# Altium PCB HIL_RIG_REV_1_2.PcbDoc (part 5 of 14)
Units mil, origin at the board's own origin, x right, y up, seen from the top; angles counter-clockwise.
Board outline 9845 x 7590 mil, 6 copper layers (Top Layer, Int1 (GND), Int2 (PWR), Int3 (Sign), Int4 (GND), Bottom Layer), stack 60.566 mil thick; 1465 components, 731 nets, 4058 pads, 3944 vias.
Unrouted connection lines stored in the file: 1754.
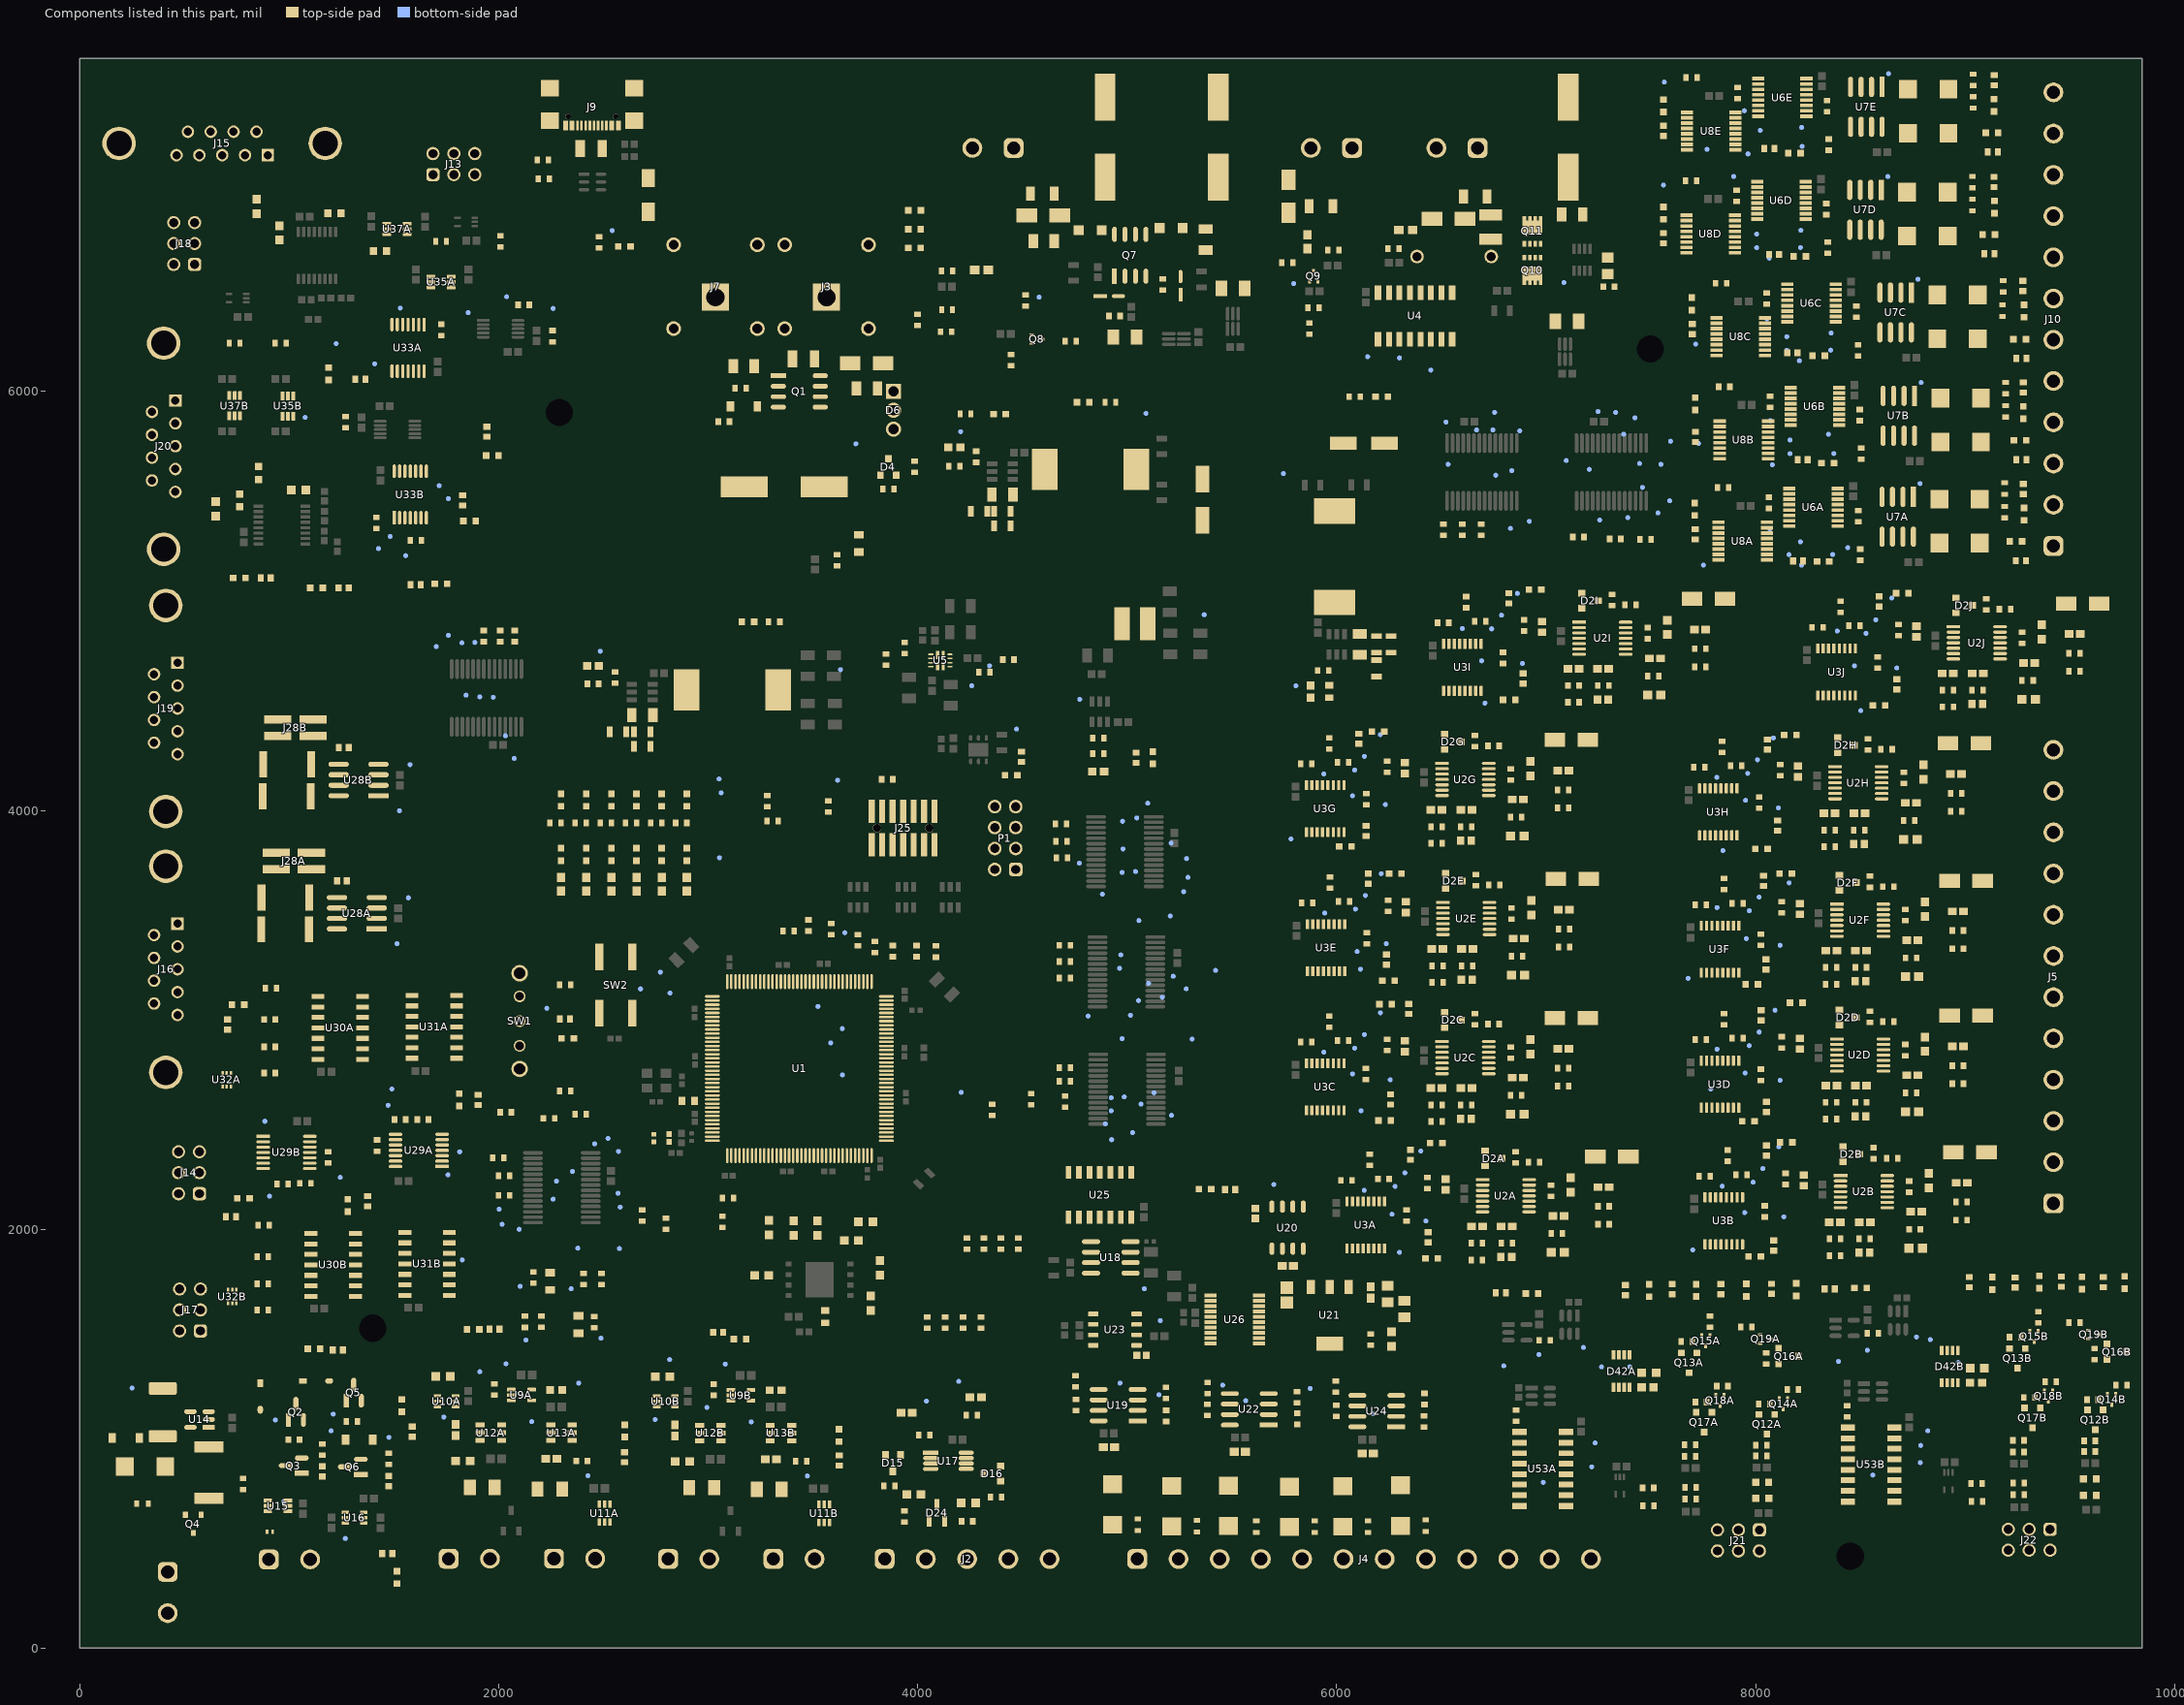
[diagram p9: the components of this part, seen from the top]

## Part data (continued)
C27: library part CMP-001-00005-6, "Chip Capacitor, 1 uF, +/- 10%, 25 V, 0603 (1608 Metric)", Tolerance=10%, Voltage Rating=25V, Max Operating Temperature=125°C, Case/Package=0603, Capacitor Type=Ceramic, Min Operating Temperature=-55°C, Pins=2, RoHS Compliant=True, Mounting Technology=SM
C29A C29B C29C C29D C29E C29F C29G C29H C29I C29J C31A C31B C31C C31D C31E C31F C31G C31H C31I C31J C32A C32B C32C C32D C32E C32F C32G C32H C32I C32J C33A C33B C33C C33D C33E C33F C33G C33H C33I C33J C54A C54B C57A C57B: library part CMP-001-00137-1, "16V 1nF X7R ±10% 0603 Multilayer Ceramic Capacitors MLCC - SMD/SMT ROHS", Case Code (Imperial)=0603, Case Code (Metric)=1608, Dielectric=X7R, Dielectric Material=Ceramic, Max Operating Temperature=125°C, Min Operating Temperature=-55°C, Tolerance=10%, Voltage Rating=16V, Case/Package=0603, China RoHS=Compliant, Composition=Ceramic, Depth=800µm, Halogen Free="Halogen Free", Height=800µm, Lead Free="Lead Free", Length=1.6mm, Lifecycle Status=Production, Material=Ceramic, Mounting Technology="Surface Mount", Number of Terminals=2, Packaging="Tape and Reel", Radiation Hardening=No, REACH SVHC=Yes, RoHS=Compliant, Schedule B="8532240020, 8532240020", Termination=SMD/SMT, Thickness=889µm, Voltage Rating (DC)=16V, Weight=2.012816mg, Width=800µm
C34 C36 C117 C120 C133 C136 C150 C155: library part CMP-001-00103-1, "100V 100nF C0G ±5% 1206 Multilayer Ceramic Capacitors MLCC - SMD/SMT ROHS", Case/Package=1206, Max Operating Temperature=125°C, Min Operating Temperature=-55°C, Tolerance=5%, Voltage Rating=100V, Mounting Technology="Surface Mount"
C35 C119 C135 C154: library part CMP-001-00104-1, "Cap Aluminum 100uF 100V 20% (12.5 X 13.5mm) SMD 450mA 5000h 105°C T/R", Case/Package=SMD/SMT, Max Operating Temperature=105°C, Min Operating Temperature=-40°C, Ripple Current=450mA, Tolerance=20%, Voltage Rating=100V, Mounting Technology="Surface Mount", Pins=2, Ripple Current (AC)=450mA
C55A C55B: library part CMP-001-00142-1, "10V 2.2uF X7R ±10% 0603 Multilayer Ceramic Capacitors MLCC - SMD/SMT ROHS", Case Code (Imperial)=0603, Case Code (Metric)=1608, Dielectric=X7R, Dielectric Material=Ceramic, Manufacturer Lifecycle Status="IN PRODUCTION", Max Operating Temperature=125°C, Min Operating Temperature=-55°C, Tolerance=10%, Voltage=10V, Case/Package=0603, Country of Origin=Philippines, Depth=800µm, Export Control Classification Number (ECCN) Code=EAR99, Harmonized Tariff Schedule (HTS) Code=8532.24.00.20, Height=800µm, Introduction Date=2006-06-22, Lead Free="Lead Free", Length=1.6mm, Lifecycle Status=Production, Material=Ceramic, Mounting Technology="Surface Mount", Number of Terminals=2, Packaging="Cut Tape", Pins=2, REACH SVHC=Yes, RoHS=Compliant, Schedule B="8532240020, 8532240020", Termination=SMD/SMT, Thickness=800µm, Voltage Rating=10V, Voltage Rating (DC)=10V, Weight=2.012816mg, Width=800µm
C64 C65: library part CMP-001-00138-1, "50V 10nF X7R ±10% 0603 Multilayer Ceramic Capacitors MLCC - SMD/SMT ROHS", Case Code (Imperial)=0603, Case Code (Metric)=1608, Dielectric=X7R, Dielectric Material=Ceramic, Insulation Resistance=100GΩ, Max Operating Temperature=125°C, Min Operating Temperature=-55°C, Tolerance=10%, Voltage=50V, Case/Package=0603, China RoHS=Compliant, Composition=Ceramic, Country of Origin="Mainland China, Taiwan", Depth=800µm, Export Control Classification Number (ECCN) Code=EAR99, Halogen Free="Halogen Free", Harmonized Tariff Schedule (HTS) Code=8532.24.00.20, Height=800µm, Introduction Date=2003-01-27, Lead Free="Lead Free", Length=1.6mm, Lifecycle Status=Production, Material=Ceramic, Mounting Technology="Surface Mount", Number of Terminals=2, Pins=2, Radiation Hardening=No, REACH SVHC=Yes, RoHS=Compliant, Schedule B="8532240020, 8532240020", Termination=SMD/SMT, Thickness=889µm, Voltage Rating=50V, Voltage Rating (DC)=50V, Width=800µm
C69 C72 C75 C76 C82: library part CMP-001-00123-1, "50V 1uF X7R ±10% 0603 Multilayer Ceramic Capacitors MLCC - SMD/SMT ROHS", Case Code (Imperial)=0603, Case Code (Metric)=1608, Dielectric=X7R, Dielectric Material=Ceramic, Max Operating Temperature=125°C, Min Operating Temperature=-55°C, Tolerance=10%, Voltage Rating=50V, Case/Package=0603, China RoHS=Compliant, Composition=Ceramic, Country of Origin="Mainland China, Taiwan", Export Control Classification Number (ECCN) Code=EAR99, Halogen Free="Halogen Free", Harmonized Tariff Schedule (HTS) Code=8532.24.00.20, Height=800µm, Introduction Date=2014-07-08, Lead Free="Lead Free", Length=1.6mm, Lifecycle Status=Production, Material=Ceramic, Mounting Technology="Surface Mount", Number of Terminals=2, Packaging="Tape & Reel (TR)", REACH SVHC=Yes, RoHS=Compliant, Schedule B="8532240020, 8532240020", Termination=SMD/SMT, Thickness=889µm, Voltage Rating (DC)=50V, Weight=2.012816mg, Width=800µm
C73: library part CMP-001-00134-1, "50V 2.2uF X5R ±10% 0805 Multilayer Ceramic Capacitors MLCC - SMD/SMT ROHS", Case Code (Imperial)=0805, Case Code (Metric)=2012, Dielectric=X5R, Dielectric Material=Ceramic, Manufacturer Package Identifier=CC0805-0.85, Max Operating Temperature=85°C, Min Operating Temperature=-55°C, Tolerance=10%, Voltage Rating=50V, Case/Package=0805, China RoHS=Compliant, Composition=Ceramic, Country of Origin="Mainland China, Taiwan", Export Control Classification Number (ECCN) Code=EAR99, Halogen Free="Halogen Free", Harmonized Tariff Schedule (HTS) Code=8532.24.00.20, Height=1.25mm, Introduction Date=2014-07-08, Lead Free="Lead Free", Length=2mm, Lifecycle Status=Production, Material=Ceramic, Mounting Technology="Surface Mount", Number of Terminals=2, Packaging="Cut Tape (CT)", REACH SVHC=Yes, RoHS=Compliant, Termination=SMD/SMT, Thickness=1.4478mm, Voltage Rating (DC)=50V, Weight=5.499807mg, Width=1.25mm
C74: library part CMP-001-00121-1, "35V 10uF X5R ±20% 0603 Multilayer Ceramic Capacitors MLCC - SMD/SMT ROHS", Case Code (Imperial)=0603, Case Code (Metric)=1608, Dielectric=X5R, Dielectric Material=Ceramic, Manufacturer Lifecycle Status="IN PRODUCTION", Max Operating Temperature=85°C, Min Operating Temperature=-55°C, Tolerance=20%, Voltage Rating=35V, Case/Package=0603, Height=800µm, Length=1.6mm, Lifecycle Status=Production, Material=Ceramic, Mounting Technology="Surface Mount", Number of Terminals=2, REACH SVHC=Yes, RoHS=Compliant, Schedule B="8532240020, 8532240020", Thickness=800µm, Voltage Rating (DC)=35V, Width=800µm
C91A C91B: library part CMP-001-00135-1, "Ceramic Capacitor, Multilayer, Ceramic, 25V, 10% +Tol, 10% -Tol, C0G, 30Ppm/Cel Tc, 0.0047Uf,", Temperature Coefficient=30ppm/°C, Tolerance=10%, Voltage Rating=25V, Dielectric Material=Ceramic, Max Operating Temperature=125°C, Min Operating Temperature=-55°C, Dielectric=C0G, Case/Package=0603, Case Code (Metric)=1608, Height=800µm, Lead Free="Lead Free", Material=Ceramic, RoHS=Compliant, Export Control Classification Number (ECCN) Code=EAR99, Dissipation Factor=0.1%, Width=800µm, Introduction Date=2008-06-06, Length=1.6mm, Lifecycle Status=Production, Mounting Technology="Surface Mount", Harmonized Tariff Schedule (HTS) Code=8532.24.00.20, Country of Origin=Mexico, Case Code (Imperial)=0603, Voltage Rating (DC)=25V, REACH SVHC=Yes, Number of Terminals=2, Schedule B="8532240020, 8532240020", Termination=SMD/SMT, China RoHS=Compliant
C111 C127: library part CMP-001-00147-1, "Cap Aluminum 33uF 50V 20% (6.3 X 7.7mm) SMD 0.04 Ohm 1600mA 5000 hr 105°C Embossed T/R", Case/Package=Radial, Max Operating Temperature=105°C, Min Operating Temperature=-55°C, Ripple Current=1.6A, Tolerance=20%, Voltage Rating=50V, Mounting Technology="Surface Mount", Pins=8, Ripple Current (AC)=1.6A
C114 C115 C116 C130 C131 C132 C147 C148 C149: library part CMP-001-00143-2, "100V 1uF X7S ±10% 0805 Multilayer Ceramic Capacitors MLCC - SMD/SMT ROHS", Case Code (Imperial)=0805, Case Code (Metric)=2012, Dielectric=X7S, Dielectric Material=Ceramic, Manufacturer Lifecycle Status="IN PRODUCTION", Max Operating Temperature=125°C, Min Operating Temperature=-55°C, Tolerance=10%, Voltage Rating=100V, Case/Package=0805, Export Control Classification Number (ECCN) Code=EAR99, Features="Soft Termination", Harmonized Tariff Schedule (HTS) Code=8532.24.00.20, Height=1.25mm, Introduction Date=2015-11-10, Length=2mm, Lifecycle Status=Production, Material=Ceramic, Mounting Technology="Surface Mount", Number of Terminals=2, Packaging="Cut Tape", REACH SVHC=Yes, RoHS=Compliant, Schedule B="8532240020, 8532240020", Thickness=1.25mm, Voltage Rating (DC)=100V, Width=1.25mm
C118 C171A C171B: library part CMP-001-00144-1, "50V 100pF C0G ±1% 0603 Multilayer Ceramic Capacitors MLCC - SMD/SMT ROHS", Case Code (Imperial)=0603, Case Code (Metric)=1608, Dielectric=C0G, Dielectric Material=Ceramic, Max Operating Temperature=125°C, Min Operating Temperature=-55°C, Temperature Coefficient=30ppm/°C, Tolerance=1%, Voltage Rating=50V, Case/Package=0603, China RoHS=Compliant, Country of Origin=Mexico, Depth=800µm, Dissipation Factor=0.1%, Export Control Classification Number (ECCN) Code=EAR99, Harmonized Tariff Schedule (HTS) Code=8532.24.00.20, Height=800µm, Introduction Date=2008-06-06, Lead Free="Lead Free", Lead Pitch=700µm, Length=1.6mm, Lifecycle Status=Production, Material=Ceramic, Mounting Technology="Surface Mount", Number of Terminals=2, Packaging="Cut Tape", REACH SVHC=Yes, RoHS=Compliant, Schedule B="8532240020, 8532240020", Termination=SMD/SMT, Thickness=863.6µm, Voltage Rating (DC)=50V, Width=800µm
C134 C151 C163: library part CMP-001-00115-1, "Multilayer Ceramic Capacitors MLCC - SMD/SMT 50V 100pF X8R 0603 1%", Case/Package=0603, Dielectric=X8R, Dielectric Material=Ceramic, Max Operating Temperature=150°C, Min Operating Temperature=-55°C, Temperature Coefficient=30ppm/°C, Voltage Rating=50V, China RoHS=Compliant, Country of Origin=Mexico, Export Control Classification Number (ECCN) Code=EAR99, Harmonized Tariff Schedule (HTS) Code=8532.24.00.20, Height=800µm, Introduction Date=2017-10-02, Lead Free="Lead Free", Length=1.6mm, Lifecycle Status=Production, Material=Ceramic, Mounting Technology="Surface Mount", Number of Terminals=2, REACH SVHC=Yes, RoHS=Compliant, Schedule B="8532240020, 8532240020", Voltage Rating (DC)=50V, Width=800µm
D1A D1B D1C D1D D1E D1F D1G D1H D1I D1J D5 D29 D34 D37: library part CMP-004-00082-1, "SMAJ Series 58 V 400 W SMT Uni-Directional TVS Diode - DO-214AC", Case/Package=SMA, Forward Voltage=3.5V, Max Operating Temperature=150°C, Max Surge Current=40A, Min Operating Temperature=-55°C, Mounting Technology="Surface Mount", Pins=2
D2A D2B D2C D2D D2E D2F D2G D2H D2I D2J D15 D16: library part CMP-004-00056-1, "Diode Standard Recovery Rectifier 85 Volt 0.16A 3-Pin SOT-23 Tape and Reel", Case/Package=SOT-23, Forward Current=150mA, Forward Voltage=900mV, Max Operating Temperature=150°C, Max Surge Current=4A, Min Operating Temperature=-65°C, Mounting Technology="Surface Mount", Pins=3
D3 D13: library part CMP-004-00081-1, "MMSZ5244BT1 Series 500 mW 10 mA 14 V SMT Zener Voltage Regulator - SOD-123", Case/Package=SOD-123-2, Forward Voltage=900mV, Manufacturer Lifecycle Status=ACTIVE, Max Operating Temperature=150°C, Max Power Dissipation=500mW, Max Reverse Leakage Current=100nA, Min Operating Temperature=-55°C, Reference Voltage=14V, Test Current=9mA, Tolerance=5%, China RoHS=Compliant, Composition=Zener, Contact Plating=Tin, Element Configuration=Single, ESD Protection=Yes, Height=1.35mm, Impedance=15Ω, Lead Free="Lead Free", Length=2.84mm, Lifecycle Status=Production, Material=Plastic, Number of Elements=1, Number of Terminals=2, Packaging="Tape and Reel", Peak Reverse Current=100nA, Pins=2, Polarity=Unidirectional, Power Dissipation=500mW, Power Rating=500mW, Radiation Hardening=No, REACH SVHC=Yes, RoHS=Compliant, Schedule B="8541100050, 8541100050", Voltage Rating (DC)=14V, Voltage Tolerance=5%, Width=1.8mm, Working Voltage=14V, Zener Current=9mA, Zener Voltage=14V
D4: library part CMP-004-00047-1, "Diode, Zener, Vr 47V, If 10MA, Pkg SOT-23 (TO-236), Vf 0.9V, Cj 40PF, Tj +150C, Ir 2MA", Case/Package=SOT-23-3, Forward Voltage=900mV, Max Operating Temperature=150°C, Min Operating Temperature=-65°C, Pins=3
D6: library part CMP-031-00019-1, "Littelfuse", Manufacturer_Name=LITTELFUSE, Mouser Part Number=863-C106MG, Arrow Part Number=C106MG, Arrow Price/Stock=https://www.arrow.com/en/products/c106mg/littelfuse?utm_currency=USD&region=europe, Datasheet Link=https://m.littelfuse.com/~/media/electronics/datasheets/switching_thyristors/littelfuse_thyristor_c106_d_datasheet.pdf.pdf, Design Item ID=C106MG, Height=2.8mm, Manufacturer_Part_Number=C106MG, Mouser Price/Stock=https://www.mouser.co.uk/ProductDetail/Littelfuse/C106MG?qs=sK5eIuwOod7zMKL78CI8oQ%3D%3D, Source=MAX17643ATC+.SchLib
D7A D7B D7C D7D D7E D8A D8B D8C D8D D8E D10 D17 D18 D19 D20 D21 D22: library part CMP-004-00070-1, "Tvs Diodes & Esd Suppressors; SMBJ28A; Littelfuse; 28 V; 45.4 V; 31.1 V; 31.1 V", Breakdown Voltage=32.75V, Case/Package=SMB, Clamping Voltage=45.4V, Current=1mA, Forward Voltage=3.5V, Leakage Current=1µA, Max Breakdown Voltage=34.4V, Max Junction Temperature (Tj)=150°C, Max Power Dissipation=5W, Max Surge Current=13.3A, Min Breakdown Voltage=31.1V, Min Operating Temperature=-65°C, Operating Supply Voltage=28V, Peak Pulse Power=600W, Power Line Protection=No, Composition=Zener, Country of Origin="Mainland China, Philippines", Direction=Unidirectional, Element Configuration=Single, Export Control Classification Number (ECCN) Code=EAR99, Harmonized Tariff Schedule (HTS) Code=8541.10.00.50, Height=2.61mm, Introduction Date=1996-01-01, Lead Free="Lead Free", Length=4.57mm, Lifecycle Status=Production, Max Operating Temperature=150°C, Max Reverse Leakage Current=1µA, Mounting Technology="Surface Mount", Number of Channels=1, Number of Elements=1, Number of Terminals=2, Number of Unidirectional Channels=1, Packaging="Cut Tape", Peak Pulse Current=13.3A, Peak Reverse Current=1µA, Pins=2, Polarity=Unidirectional, Power Dissipation=600W, Power Rating=600W, Radiation Hardening=No, REACH SVHC=No, Reverse Breakdown Voltage=31.1V, Reverse Standoff Voltage=28V, Reverse Voltage=28V, RoHS=Compliant, Schedule B="8541100080, 8541100080", Termination=SMD/SMT, Test Current=1mA, Voltage=28V, Voltage Rating (DC)=28V, Width=3.94mm
D9 D12: library part CMP-004-00073-1, "1N5819HW Series 40 V 1 A Surface Mount Schottky Barrier Rectifier - SOD-123", Average Rectified Current=1A, Case/Package=SOD-123-2, Forward Voltage=750mV, Max Forward Surge Current (Ifsm)=25A, Max Junction Temperature (Tj)=125°C, Max Power Dissipation=450mW, Max Repetitive Reverse Voltage (Vrrm)=40V, Min Operating Temperature=-65°C, Peak Reverse Current=1mA, China RoHS=Compliant, Contact Plating=Tin, Current Rating=1A, Element Configuration=Single, Forward Current=1A, Height=1.45mm, Lead Free="Lead Free", Length=2.85mm, Lifecycle Status=Production, Max Operating Temperature=125°C, Max Output current=1A, Max Reverse Voltage (DC)=40V, Min Breakdown Voltage=40V, Number of Elements=1, Number of Terminals=2, Output Current=1A, Packaging="Tape and Reel", Peak Non-Repetitive Surge Current=25A, Pins=2, Polarity=Standard, Radiation Hardening=No, REACH SVHC=Yes, Reverse Standoff Voltage=40V, Reverse Voltage=40V, RoHS=Compliant, Schedule B="8541100080, 8541100080", Termination=SMD/SMT, Voltage Rating (DC)=40V, Weight=10.007382mg, Width=1.7mm
D11: library part CMP-004-00074-1, "DIODE ZENER 28V 500MW SOD123 / Zener Diode 28 V 500 mW ±5% Surface Mount SOD-123", Case/Package=SOD-123-2, Manufacturer Lifecycle Status=ACTIVE, Max Operating Temperature=150°C, Max Power Dissipation=500mW, Max Reverse Leakage Current=100nA, Min Operating Temperature=-55°C, Ratings=AEC-Q101, Reference Voltage=28V, Tolerance=5%, Zener Current=4.5mA, China RoHS=Compliant, Composition=Zener, Country of Origin="Mainland China", Element Configuration=Single, Export Control Classification Number (ECCN) Code=EAR99, Harmonized Tariff Schedule (HTS) Code=8541.10.00.50, Impedance=44Ω, Introduction Date=1998-08-19, Lead Free="Lead Free", Lifecycle Status=Production, Number of Elements=1, Number of Terminals=2, Packaging="Tape and Reel", Pins=2, Polarity=Unidirectional, Radiation Hardening=No, REACH SVHC=Yes, RoHS=Compliant, Voltage Tolerance=5%, Zener Voltage=28V
D14: library part CMP-004-00077-1, "ESD Protection Diodes / TVS Diodes 12V bidirectional ul tra-low capacitance", Manufacturer_Name="Texas Instruments", Mouser Part Number=595-ESD501DPYR, Arrow Part Number=ESD501DPYR, Arrow Price/Stock=https://www.arrow.com/en/products/esd501dpyr/texas-instruments?utm_currency=USD&region=nac, Datasheet Link=https://www.ti.com/lit/ds/symlink/esd501.pdf?ts=1738328273013&ref_url=https%253A%252F%252Fwww.mouser.ph%252, Design Item ID=ESD501DPYR, Height=0.45mm, Manufacturer_Part_Number=ESD501DPYR, Mouser Price/Stock=https://www.mouser.co.uk/ProductDetail/Texas-Instruments/ESD501DPYR?qs=a2MtRaTmNORm212mp2T0lg%3D%3D, Source=MAX17643ATC+.SchLib
D23: library part CMP-004-00080-1, "BOURNS - SMAJ5.0A - TVS Diode", Manufacturer_Name=Bourns, Mouser Part Number=652-SMAJ5.0A, Arrow Part Number=SMAJ5.0A, Arrow Price/Stock=https://www.arrow.com/en/products/smaj5-0a_21/bourns.html?utm_currency=USD&region=nac, Datasheet Link=https://detail.tmall.com/item.htm?id=548354020241&ali_refid=a3_430583_1006:1109983619:N:3Uw9kZ3UMDT/QL57nh1fXA==:ab063b49c94624768a940a913313feb0&ali_trackid=1_ab063b49c94624768a940a913313feb0&spm=a230r.1.14.1, Design Item ID=SMAJ5.0A, Height=2.29mm, Manufacturer_Part_Number=SMAJ5.0A, Mouser Price/Stock=https://www.mouser.co.uk/ProductDetail/Bourns/SMAJ5.0A?qs=A3H9pljuJ8RbLIvzFxDfUA%3D%3D, Source=MAX17643ATC+.SchLib
D24: library part CMP-031-00025-1, "61V (Typ) Clamp 4.3A (8/20s) Ipp Tvs Diode Surface Mount SOT-23-3", Manufacturer_Name="Texas Instruments", Mouser Part Number=595-ESD852DBZR, Arrow Part Number=ESD852DBZR, Arrow Price/Stock=https://www.arrow.com/en/products/esd852dbzr/texas-instruments?utm_currency=USD&region=nac, Datasheet Link=https://www.ti.com/lit/ds/symlink/esd852.pdf?ts=1728759309679&ref_url=https%253A%252F%252Fwww.mouser.com%252F, Design Item ID=ESD852DBZR, Height=1.12mm, Manufacturer_Part_Number=ESD852DBZR, Mouser Price/Stock=https://www.mouser.co.uk/ProductDetail/Texas-Instruments/ESD852DBZR?qs=Z%252BL2brAPG1KJL96MCdc2ZA%3D%3D, Source=MAX17643ATC+.SchLib
D25 D45A D45B D45C D45D D45E D45F D45G D45H D45I D45J D45K D45L D45M D45N D45O D45P D47A D47B D47C D47D: library part CMP-007-00038-1, "LED yellow green 0603 wavelength 567.5~576.5nm light intensity 4.5~28mcd Front Mounting", Case Code (Imperial)=0603, Case Code (Metric)=1608, Color=Green, Forward Current=30mA, Forward Voltage=1.9V, Illumination Color="Green, Yellow", Lens Color="Clear, Colorless", Max Operating Temperature=85°C, Min Operating Temperature=-55°C, Power Dissipation=50mW, Power Rating=75mW, Reverse Voltage=5V, Test Current=5mA, Case/Package=0603, China RoHS=Compliant, Country of Origin="Mainland China, Thailand", Depth=800µm, Dominant Wavelength=576.5nm, Export Control Classification Number (ECCN) Code=EAR99, Harmonized Tariff Schedule (HTS) Code=8541.40.20.00, Height=350µm, Introduction Date=2007-03-15, Lead Free="Lead Free", Length=1.6mm, Lens Style="Clear, Colorless, Diffused, Rectangular", Lens Transparency=Clear, Lifecycle Status=Production, Luminous Intensity=16.25mcd, Manufacturer Package Identifier=LTST-C193KGKT-5A, Mounting Technology="Surface Mount", Number of Circuits=1, Number of Elements=1, Number of LEDs=1, Number of Terminals=2, Peak Wavelength=574nm, Pins=2, Radiation Hardening=No, REACH SVHC=Yes, RoHS=Compliant, Schedule B="8541402000, 8541402000", Shape=Rectangular, Terminal Pitch=1.5mm, Viewing Angle=130°, Wavelength=571nm, Width=800µm
D26 D30 D31 D35 D36 D39 D40 D41 D50: library part CMP-007-00044-1, "LED yellow 0603 wavelength 587~594.5nm light intensity 7.1~45mcd Front Mounting", Case Code (Imperial)=0603, Case Code (Metric)=1608, Color=Yellow, Forward Current=30mA, Forward Voltage=2.3V, Lens Color="Clear, Colorless", Max Operating Temperature=85°C, Min Operating Temperature=-55°C, Power Dissipation=50mW, Reverse Voltage=5V, Test Current=5mA, Case/Package=0603, China RoHS=Compliant, Depth=800µm, Dominant Wavelength=594.5nm, Harmonized Tariff Schedule (HTS) Code=8541.40.20.00, Height=350µm, Illumination Color=Yellow, Introduction Date=2007-04-09, Lead Free="Lead Free", Length=1.6mm, Lens Style="Colorless, Diffused, Rectangular", Lens Transparency=Clear, Lifecycle Status=Production, Luminous Intensity=26.05mcd, Mounting Technology="Surface Mount", Number of Circuits=1, Number of Elements=1, Number of LEDs=1, Number of Terminals=2, Peak Wavelength=591nm, Pins=2, Radiation Hardening=No, REACH SVHC=Yes, RoHS=Compliant, Schedule B="8541402000, 8541402000", Shape=Rectangular, Terminal Pitch=1.5mm, Viewing Angle=130°, Wavelength=594.5nm, Width=800µm
D27 D32: library part CMP-004-00064-1, "PMEG6020 Series 60 V 2 A SMT Llow VF MEGA Schottky Barrier Rectifier - SOD-123W", Forward Current=2A, Forward Voltage=530mV, Max Operating Temperature=150°C, Min Operating Temperature=-55°C, Pins=2
D28 D33: library part CMP-004-00045-1, "BZT52C15S Series 200 mW 15 V 10 mA Surface Mount Zener Diode - SOD-323", Forward Current=10mA, Forward Voltage=900mV, Max Operating Temperature=150°C, Min Operating Temperature=-65°C, Mounting Technology="Surface Mount", Pins=2
D38: library part CMP-004-00059-1, "1N4751 Series 1 W 30 V 5 uA Axial Through Hole Zener Diode - DO-41", Case/Package=DO-41-2, Max Operating Temperature=200°C, Min Operating Temperature=-65°C, Mounting Technology="Through Hole", Pins=2
D42A D42B: library part CMP-031-00020-1, "2-Bit Bidirectional I2C Bus and SMBus Voltage-Level Shifter", Manufacturer_Name="Texas Instruments", Mouser Part Number=595-PCA9306DCTT, Arrow Part Number=PCA9306DCTT, Arrow Price/Stock=https://www.arrow.com/en/products/pca9306dctt/texas-instruments.html?utm_currency=USD&region=nac, Datasheet Link=http://www.ti.com/lit/gpn/pca9306, Design Item ID=PCA9306DCTT, Height=1.3mm, Manufacturer_Part_Number=PCA9306DCTT, Mouser Price/Stock=https://www.mouser.co.uk/ProductDetail/Texas-Instruments/PCA9306DCTT?qs=wgAEGBTxy7mcoWDi%252ByJu0w%3D%3D, Source=MAX17643ATC+.SchLib
D46A D46AA D46AB D46AC D46AD D46AE D46AF D46AG D46AH D46AI D46AJ D46AK D46AL D46AM D46AN D46AO D46AP D46AQ D46AR D46AS D46AT D46AU D46AV D46AW D46B D46C D46D D46E D46F D46G D46H D46I D46J D46K D46L D46M D46N D46O D46P D46Q D46R D46S D46T D46U D46V D46W D46X D46Y D46Z: library part CMP-007-00037-1, "LED orange LED0603 wavelength 605nm light intensity 11~45mcd vertical sticker", Case Code (Imperial)=0603, Case Code (Metric)=1608, Color=Orange, Forward Current=30mA, Forward Voltage=2.3V, Illumination Color=Yellow, Lens Color="Clear, Colorless", Max Operating Temperature=85°C, Min Operating Temperature=-30°C, Power Dissipation=75mW, Reverse Voltage=5V, Test Current=5mA, Case/Package=0603, China RoHS=Compliant, Contact Plating=Tin, Depth=800µm, Dominant Wavelength=605nm, Harmonized Tariff Schedule (HTS) Code=8541.40.20.00, Height=350µm, Introduction Date=2010-10-11, Length=1.6mm, Lens Style="Colorless, Diffused, Rectangular", Lens Transparency=Clear, Lifecycle Status=Production, Luminous Intensity=28.1mcd, Mounting Technology="Surface Mount", Number of Circuits=1, Number of Elements=1, Number of LEDs=1, Number of Terminals=2, Packaging="Tape and Reel", Peak Wavelength=611nm, Pins=2, Power Rating=75mW, Radiation Hardening=No, REACH SVHC=Yes, RoHS=Compliant, Schedule B="8541402000, 8541402000", Shape=Rectangular, Terminal Pitch=1.5mm, Viewing Angle=130°, Wavelength=605nm, Width=800µm
D48A D48B D48C D48D D48E D48F: library part CMP-007-00039-1, "Single-color LEDs; LITEON; LTST-C193KRKT-5A; Red; 130 °; 2.3 V; 0603", Case Code (Imperial)=0603, Case Code (Metric)=1608, Color=Red, Forward Current=20mA, Forward Voltage=2.3V, Lens Color="Clear, Colorless", Max Operating Temperature=85°C, Min Operating Temperature=-30°C, Power Dissipation=50mW, Reverse Voltage=5V, Test Current=5mA, Case/Package=0603, China RoHS=Compliant, Country of Origin="Mainland China, Thailand", Depth=800µm, Dominant Wavelength=631nm, Export Control Classification Number (ECCN) Code=EAR99, Harmonized Tariff Schedule (HTS) Code=8541.40.20.00, Height=350µm, Illumination Color=Red, Introduction Date=2008-09-01, Lead Free="Lead Free", Length=1.6mm, Lens Style="Clear, Colorless, Diffused, Rectangular", Lens Transparency=Clear, Lifecycle Status=Production, Luminous Intensity=26.05mcd, Mounting Technology="Surface Mount", Number of Circuits=1, Number of Elements=1, Number of LEDs=1, Number of Terminals=2, Peak Wavelength=639nm, Pins=2, Radiation Hardening=No, REACH SVHC=Yes, RoHS=Compliant, Schedule B="8541402000, 8541402000", Shape=Rectangular, Terminal Pitch=1.5mm, Viewing Angle=130°, Wavelength=631nm, Width=800µm
D49A D49B D49C D49D D49E D49F: library part CMP-007-00045-1, "LED blue 0603 wavelength 465~475nm light intensity 15mcd Front Mounting", Case Code (Imperial)=0603, Case Code (Metric)=1608, Color=Blue, Forward Current=20mA, Forward Voltage=2.8V, Lens Color="Clear, Colorless", Max Operating Temperature=80°C, Min Operating Temperature=-20°C, Power Dissipation=76mW, Reverse Voltage=5V, Test Current=5mA, Case/Package=0603, China RoHS=Compliant, Contact Plating=Tin, Depth=800µm, Dominant Wavelength=475nm, Height=350µm, Illumination Color=Blue, Lead Free="Lead Free", Length=1.6mm, Lens Style="Clear, Colorless, Diffused, Rectangular", Lens Transparency=Clear, Lifecycle Status=Production, Luminous Intensity=15mcd, Mounting Technology="Surface Mount", Number of Circuits=1, Number of Elements=1, Number of LEDs=1, Number of Terminals=2, Peak Wavelength=468nm, Pins=2, Radiation Hardening=No, REACH SVHC=Yes, RoHS=Compliant, Schedule B="8541402000, 8541402000", Shape=Rectangular, Terminal Pitch=1.5mm, Viewing Angle=130°, Wavelength=470nm, Width=800µm
F1: library part CMP-005-00026-1, "Fuse 63V Fa Halogen Free Slim 1206 2A/ T&r Rohs Compliant: Yes", Case Code (Imperial)=1206, Case Code (Metric)=3216, Current=2A, Max Operating Temperature=90°C, Min Operating Temperature=-55°C, Power Dissipation=157.5mW, Ratings="CE, CSA, EN, TUV", Voltage Rating=63V, Approvals="CSA, UL", Case/Package=1206, Current Rating=2A, Depth=1.52mm, Fuse Current=2A, Height=584µm, Housing Material=Ceramic, Length=3.175mm, Lifecycle Status=Production, Mounting Technology="Surface Mount", REACH SVHC=No, RoHS=Compliant, Time to Trip=200ms, Voltage Rating (AC)=63V, Voltage Rating (DC)=63V, Width=1.524mm
F3A F3B F3C F3D F3E F5A F5B F5C F5D F5E F6 F8 F10 F12 F14 F16 F18: library part CMP-005-00023-1, "Prices include import duty and tax. RESETTABLE PTC FUSE, SMD, 0603 SIZE, 10MA, 60V;", Case/Package=0603, Current Rating=40A, Hold Current=10mA, Max Operating Temperature=85°C, Maximum Resistance 1 Hour (R1max)=100Ω, Min Operating Temperature=-40°C, Ratings="AEC-Q200, TUV", Trip Current=30mA, Voltage Rating=60V, China RoHS=Compliant, Export Control Classification Number (ECCN) Code=EAR99, Harmonized Tariff Schedule (HTS) Code=8533.40.80.70, Height=850µm, Introduction Date=2019-09-26, Length=1.8mm, Lifecycle Status=Production, Mounting Technology="Surface Mount", Number of Terminals=2, REACH SVHC=Yes, RoHS=Compliant, Time to Trip=1s, Width=1mm, Working Voltage=60V
F19: library part CMP-005-00016-1, "Electric Fuse, Fast Blow, 1A, 63VAC, 63VDC, 50A (IR), Supplemental, Surface Mount, 1206", Case/Package=1206, Current Rating=1A, Max Operating Temperature=90°C, Min Operating Temperature=-55°C, Mounting Technology="Surface Mount"
F20 F21 F22: library part CMP-005-00025-1, "Surface Mount Fuses 1.5A Fast Acting 1206 Singlfuse", Manufacturer_Name=Bourns, Mouser Part Number=652-SF-1206FP150-2, Arrow Part Number=SF-1206FP150-2, Arrow Price/Stock=https://www.arrow.com/en/products/sf-1206fp150-2/bourns?utm_currency=USD&region=nac, Datasheet Link=https://www.arrow.com/en/products/sf-1206fp150-2/bourns, Design Item ID=SF-1206FP150-2, Height=0.7mm, Manufacturer_Part_Number=SF-1206FP150-2, Mouser Price/Stock=https://www.mouser.co.uk/ProductDetail/Bourns/SF-1206FP150-2?qs=YCa%2FAAYMW02QT85STQYHfQ%3D%3D, Source=MAX17643ATC+.SchLib
FB1: library part CMP-006-00025-1, "Ferrite Beads Multi-Layer 120Ohm 25% 100MHz 500mA 250mOhm DCR 0402 Paper T/R", Case/Package=0402, Current Rating=500mA, Max Operating Temperature=125°C, Min Operating Temperature=-55°C, Tolerance=25%, Max Current Rating=500mA, Mounting Technology="Surface Mount"
J1 J6 J8 J11 J12 J23 J24 J26 J27: library part CMP-002-00093-1, "WR-TBL Terminal block - PCB Header - THT", Color=Green, Current=20A, Manufacturer Lifecycle Status=ACTIVE, Max Operating Temperature=105°C, Min Operating Temperature=-40°C, Voltage=300V, Connector Type="PCB, Terminal Block", Contact Material=Tin, Contact Plating=Tin, Current Rating=20A, Gender=Male, Height=8.7mm, Lead Pitch=5mm, Length=11.4mm, Lifecycle Status=Production, Mounting Technology="Through Hole", Number of Contacts=2, Number of Levels=1, Number of Positions Per Level=2, Number of Rows=1, Packaging=Box, Pins=2, Pitch=5mm, REACH SVHC=Unknown, RoHS=Compliant, Termination=Solder, Voltage Rating=300V, Width=12mm, YEOL="1 = Estimated lifetime > 10 years"
J2: library part CMP-002-00094-1, "Terminal Block, 5.00MM Pitch, Close Horizontal Pcb Header, 300VAC, 5 Pins", Color=Green, Current=20A, Manufacturer Lifecycle Status=ACTIVE, Max Operating Temperature=105°C, Min Operating Temperature=-40°C, Voltage=300V, Connector Type="PCB, Terminal Block", Contact Gender=Male, Contact Material=Brass, Contact Plating=Tin, Gender=Male, Height=12mm, Lead Pitch=5mm, Length=26.4mm, Lifecycle Status=Production, Mounting Technology="Through Hole", Number of Contacts=5, Number of Levels=1, Number of Positions Per Level=5, Number of Rows=1, Packaging=Box, Pins=5, Pitch=5mm, REACH SVHC=No, RoHS=Compliant, Termination=Solder, Width=27mm, YEOL="1 = Estimated lifetime > 10 years"
J3: library part CMP-002-00102-1, "CLIFF ELECTRONIC COMPONENTS - FCR7350R - SOCKET", Manufacturer_Name="CLIFF ELECTRONIC COMPONENTS", Datasheet Link=http://www.cliffuk.co.uk/products/testleads/sockets/S16NPC.pdf, Design Item ID=FCR7350R, Height=11.5mm, Manufacturer_Part_Number=FCR7350R, Source=MAX17643ATC+.SchLib
J4 J5 J10: library part CMP-002-00096-1, "Terminal Block, R/A Header, 12Pos, Th Rohs Compliant: Yes", Manufacturer Lifecycle Status=ACTIVE, Max Operating Temperature=105°C, Min Operating Temperature=-40°C, Contact Plating=Tin, Length=61.4mm, Lifecycle Status=Production, Packaging=Box, Pins=12, Pitch=5mm, RoHS=Compliant, YEOL="1 = Estimated lifetime > 10 years"
J7: library part CMP-002-00101-1, "Banana Jack Connector Standard Banana Solder Black Female  Through Hole", Manufacturer_Name="CLIFF ELECTRONIC COMPONENTS", Datasheet Link=https://www.cliffuk.co.uk/products/testleads/sockets/S16NPC.pdf, Design Item ID=FCR7350B, Height=12.3mm, Manufacturer_Part_Number=FCR7350B, Source=MAX17643ATC+.SchLib
J9: library part CMP-002-00074-1, "USB Connector, 16 Contact(s), Male, Right Angle, Surface Mount Terminal, Locking, Receptacle", Contact Resistance=50mΩ, Dielectric Material=Polyethylene, Insulation Resistance=100MΩ, Max Operating Temperature=85°C, Min Operating Temperature=-40°C, Voltage Rating=20V, China RoHS=Compliant, Contact Gender=Male, Contact Material="Gold, Nickel", Country of Origin="Mainland China", Export Control Classification Number (ECCN) Code=EAR99, Gender=Receptacle, Harmonized Tariff Schedule (HTS) Code=8536.69.40.30, Height=3.46mm, Introduction Date=2021-04-15, Lifecycle Status=Production, Number of Contacts=16, Number of Ports=1, Number of Rows=1, Orientation=Horizontal, Pins=16, REACH SVHC=Yes, RoHS=Compliant, Shell Finish=Nickel, Shell Material="Stainless Steel", Terminal Pitch=500µm, USB Standard="USB 2.0"
J13 J14 J17 J18 J21 J22: library part CMP-002-00098-1, "Wr-bhd; 2.54MM Pitch 6 Way 2 Row Shrouded Right Angle Pcb Header, Surface Mount", Color=Black, Contact Resistance=20mΩ, Current Rating=3A, Insulation Resistance=1GΩ, Manufacturer Lifecycle Status=ACTIVE, Max Operating Temperature=105°C, Min Operating Temperature=-40°C, Operating Supply Voltage=250V, Connector Type="Male Pin", Contact Material=Copper, Contact Plating=Gold, Gender=Male, Insulation Material=PBT, Lead Pitch=2.54mm, Length=15.28mm, Lifecycle Status=Production, Mounting Technology="Through Hole", Number of Contacts=6, Number of Positions=6, Number of Rows=2, Pins=6, Pitch=2.54mm, RoHS=Compliant, Row Spacing=2.54mm, Termination=Solder, YEOL="1 = Estimated lifetime > 10 years"
J15 J16 J19 J20: library part CMP-011-000000-1, "9 Position D-Sub Plug, Male Pins Connector", Package=None, Check_prices=https://www.snapeda.com/parts/A-DS%2009%20A/KG-T2S/Assmann+Electronics/view-part/?ref=eda, Component Type=Standard, Design Item ID=A-DS_09_A_KG-T2S, MF="Assmann WSW", MP="A-DS 09 A/KG-T2S", Pin Count=11, SnapEDA_Link=https://www.snapeda.com/parts/A-DS%2009%20A/KG-T2S/Assmann+Electronics/view-part/?ref=snap, Source=A-DS_09_A_KG-T2S.SchLib
J25: library part CMP-002-00097-1, "Conn Unshrouded Header HDR 14 POS 1.27mm Solder ST Top Entry SMD TIGER CLAW™ Tube", Current Rating=3.4A, Manufacturer Lifecycle Status=PRODUCTION, Max Operating Temperature=125°C, Min Operating Temperature=-55°C, Gender=Male, Lifecycle Status=Production, Pins=14, Pitch=1.27mm, RoHS=Compliant, Contact Material="Gold, Nickel", Number of Rows=2, Height=6.38mm, Contact Plating=Gold, Number of Contacts=14, Lead Free="Lead Free", Orientation=Vertical, Termination=Solder, Schedule B=8536694040
J28A J28B: library part CMP-02766-001755-1, "CONN HEADER SMD 4POS 2MM", Color=Black, Flammability Rating="UL94 V-0", Max Current Rating=3.9A, Max Operating Temperature=105°C, Max Voltage Rating (AC)=500V, Min Operating Temperature=-55°C, Package Quantity=1, Connector Type=Header, Contact Finish - Mating=TIN, Contact Material=Bronze, Contact Mating Length=0.126inch, Contact Plating=Tin, Contact Shape=Square, Contact Type="Male Pin", Depth=3.94mm, Fastening Type=Pull, Gender=Male, Housing Color=Black, Housing Material=Polymer, Insulation Color=Black, Insulation Material=Polymer, Lead Free="Lead Free", Length=4mm, Mount="Surface Mount", Number of Contacts=4, Number of Positions=4, Number of Rows=2, Orientation=Straight, Packaging=Bulk, Pitch=2mm, Radiation Hardening=No, REACH SVHC="No SVHC", RoHS Compliant=Yes, Row Spacing=0.079inch, Series=TMM, Termination=Solder, Width=3.94mm
L1: library part CMP-006-00028-1, "Bourns SRP1265A Series Shielded Wire-wound SMD Inductor with a Carbonyl Powder Core", Manufacturer_Name=Bourns, Mouser Part Number=652-SRP1265A-330M, Arrow Part Number=SRP1265A-330M, Arrow Price/Stock=https://www.arrow.com/en/products/srp1265a-330m/bourns?utm_currency=USD&region=nac, Datasheet Link=http://www.bourns.com/docs/Product-Datasheets/SRP1265A.pdf, Design Item ID=SRP1265A-330M, Manufacturer_Part_Number=SRP1265A-330M, Mouser Price/Stock=https://www.mouser.co.uk/ProductDetail/Bourns/SRP1265A-330M?qs=7z%252BmIopC6%2FLdNy531NHhxQ%3D%3D, Source=MAX17643ATC+.SchLib
L2 L3: library part CMP-006-00026-1, "Inductor Power Shielded Wirewound 22uH 20% 100KHz 20Q-Factor Carbonyl Powder 9A 0.037Ohm DCR Automotive T/R", Case/Package=Nonstandard, Current Rating=9A, Max Operating Temperature=150°C, Min Operating Temperature=-55°C, Self Resonant Frequency=6MHz, Tolerance=20%, Max Current Rating=9A, Mounting Technology="Surface Mount"
L4: library part CMP-006-00029-1, "SMD / SMT Inductors (Coils)", Manufacturer_Name=TDK, Mouser Part Number=810-VLS4015CX-4R7M-H, Datasheet Link=https://product.tdk.com/system/files/dam/doc/product/inductor/inductor/smd/catalog/inductor_automotive_power_vls4015cx-h_en.pdf, Design Item ID=VLS4015CX-4R7M-H, Height=1.5mm, Manufacturer_Part_Number=VLS4015CX-4R7M-H, Mouser Price/Stock=https://www.mouser.co.uk/ProductDetail/TDK/VLS4015CX-4R7M-H?qs=Li%252BoUPsLEnsP0JLzqrKQYg%3D%3D, Source=MAX17643ATC+.SchLib
P1: library part CMP-002-00099-1, "Conn Unshrouded Header HDR 8 POS 2.54mm Solder ST Top Entry Thru-Hole Bag", Color=Black, Contact Resistance=20mΩ, Current Rating=3A, Insulation Resistance=1GΩ, Manufacturer Lifecycle Status=ACTIVE, Max Operating Temperature=105°C, Min Operating Temperature=-40°C, Operating Supply Voltage=250V, Connector Type="Male Pin", Contact Material=Gold, Contact Mating Length=5.9944mm, Contact Plating=Gold, Gender=Male, Height=8.89mm, Lead Free="Lead Free", Lead Pitch=2.54mm, Length=10.16mm, Lifecycle Status=Production, Mounting Technology="Through Hole", Number of Contacts=8, Number of Positions=8, Number of Rows=2, Orientation=Vertical, Packaging=Bulk, Pins=8, Pitch=2.54mm, RoHS=Compliant, Row Spacing=2.54mm, Termination=Solder, Voltage Rating=250V, YEOL="1 = Estimated lifetime > 10 years"
Q1 Q7: library part CMP-013-00038-1, "Dual P-Channel 60 V 0.12 Ohms Surface Mount Power Mosfet - SOIC-8", Case/Package=SO, Max Operating Temperature=175°C, Min Operating Temperature=-55°C, Mounting Technology="Surface Mount", Nominal Vgs=-3V, Pins=8
Q2 Q5: library part CMP-013-00043-2, "DMP3099L Series 30 V 65 mOhm P-Channel Enhancement Mode Mosfet - SOT-23-3", Case/Package=SOT-23, Continuous Drain Current (ID)=3.8A, Drain to Source Breakdown Voltage=-30V, Drain to Source Resistance=65mΩ, Gate to Source Voltage (Vgs)=20V, Input Capacitance=563pF, Max Junction Temperature (Tj)=150°C, Max Power Dissipation=1.08W, Min Breakdown Voltage=30V, Min Operating Temperature=-55°C, Ratings=AEC-Q101, Threshold Voltage=-2.1V, China RoHS=Compliant, Contact Plating=Tin, Country of Origin="Mainland China", Drain to Source Voltage (Vdss)=-30V, Element Configuration=Single, Export Control Classification Number (ECCN) Code=EAR99, Fall Time=15ns, Height=1.1mm, Introduction Date=2013-05-28, Lead Free="Lead Free", Length=3mm, Lifecycle Status=Production, Max Operating Temperature=150°C, Mounting Technology="Surface Mount", Number of Channels=1, Number of Elements=1, Number of Terminals=3, Pins=3, Power Dissipation=1.08W, Radiation Hardening=No, Rds On Max=65mΩ, REACH SVHC=Yes, Rise Time=5ns, RoHS=Compliant, Schedule B="8541290080, 8541290080", Turn-Off Delay Time=31ns, Turn-On Delay Time=4.8ns, Weight=7.994566mg, Width=1.4mm
Q3 Q6: library part CMP-013-00044-1, "Transistor General Purpose BJT NPN 40 Volt 0.2A Automotive 3-Pin SOT-23", Case/Package=SOT-23, Clock Frequency=300MHz, Collector Base Voltage (VCBO)=60V, Collector Emitter Breakdown Voltage=40V, Collector Emitter Saturation Voltage=300mV, Continuous Collector Current=200mA, Emitter Base Voltage (VEBO)=6V, Max Junction Temperature (Tj)=150°C, Max Power Dissipation=350mW, Min Operating Temperature=-55°C, Power Dissipation=310mW, China RoHS=Compliant, Collector Emitter Voltage (VCEO)=40V, Contact Plating=Tin, Element Configuration=Single, Frequency=300MHz, Gain Bandwidth Product=300MHz, Height=1.1mm, hFE Min=30, Lead Free="Lead Free", Length=3.05mm, Lifecycle Status=Production, Max Breakdown Voltage=40V, Max Collector Current=200mA, Max Operating Temperature=150°C, Mounting Technology="Surface Mount", Number of Elements=1, Number of Terminals=3, Packaging="Cut Tape", Pins=3, Polarity=NPN, Radiation Hardening=No, REACH SVHC=Yes, RoHS=Compliant, Schedule B="8541210080, 8541210080", Transition Frequency=300MHz, Voltage Rating (DC)=40V, Weight=7.994566mg, Width=1.4mm
Q4: library part CMP-013-00045-1, "Power MOSFET, N Channel, 30 V, 1.4 A, 160 mOhm, SOT-23, 3 Pins, Surface Mount", Case/Package=SOT-23, Continuous Drain Current (ID)=1.4A, Drain to Source Breakdown Voltage=30V, Drain to Source Resistance=160mΩ, Gate to Source Voltage (Vgs)=20V, Input Capacitance=71pF, Max Operating Temperature=150°C, Max Power Dissipation=500mW, Min Operating Temperature=-55°C, Package Quantity=3000, Threshold Voltage=1.6V, China RoHS=Compliant, Country of Origin="Austria, Mainland China, Malaysia", Drain to Source Voltage (Vdss)=30V, Element Configuration=Single, Export Control Classification Number (ECCN) Code=EAR99, Fall Time=1ns, Halogen Free="Halogen Free", Height=1.1mm, Introduction Date=2011-07-06, Lead Free="Lead Free", Length=2.9mm, Lifecycle Status=Production, Max Dual Supply Voltage=30V, Min Breakdown Voltage=30V, Mounting Technology="Surface Mount", Number of Channels=1, Number of Elements=1, Number of Terminals=3, On-State Resistance=160mΩ, Packaging="Tape & Reel", Pins=3, Power Dissipation=500mW, Rds On Max=160mΩ, REACH SVHC=Yes, Rise Time=2.3ns, RoHS=Compliant, Schedule B="8541210080, 8541210080", Turn-Off Delay Time=5.8ns, Turn-On Delay Time=3.4ns, Width=1.3mm
Q8 Q9 Q14A Q14B Q15A Q15B Q18A Q18B Q19A Q19B: library part CMP-013-00039-1, "on Semi MMBT3904TT1G NPN Bipolar Transistor, 0.2 A, 40 V, 3-PIN SOT-416", Case/Package=SOT-416, Frequency=300MHz, Max Operating Temperature=150°C, Min Operating Temperature=-55°C, Pins=3
Q10 Q11: library part CMP-033-000000-1, "MOSFET MOSFET BVDSS: 41V-60V", Manufacturer_Name="Diodes Incorporated", Mouser Part Number=621-DMT69M8LFV-7, Arrow Part Number=DMT69M8LFV-7, Arrow Price/Stock=https://www.arrow.com/en/products/dmt69m8lfv-7/diodes-incorporated, Datasheet Link=https://4donline.ihs.com/images/VipMasterIC/IC/DIOD/DIOD-S-A0005038932/DIOD-S-A0005038932-1.pdf?hkey=CECEF36DEECDED6468708AAF2E19C0C6, Design Item ID=DMT69M8LFV-7, Manufacturer_Part_Number=DMT69M8LFV-7, Mouser Price/Stock=https://www.mouser.com/Search/Refine.aspx?Keyword=621-DMT69M8LFV-7, Source=MAX17643ATC+.SchLib
Q12A Q12B Q13A Q13B Q16A Q16B Q17A Q17B: library part CMP-013-00048-1, "Transistor: P-MOSFET; unipolar; -30V; 4, 2A; 1, 4W; 85 mOhm; ; -55+150 st.C; SMD; SOT23", Case/Package=TO-236-3, Continuous Drain Current (ID)=4A, Drain to Source Breakdown Voltage=-30V, Drain to Source Resistance=50mΩ, Gate to Source Voltage (Vgs)=12V, Input Capacitance=1.2nF, Max Junction Temperature (Tj)=150°C, Max Power Dissipation=1.4W, Min Breakdown Voltage=30V, Min Operating Temperature=-55°C, Threshold Voltage=-900mV, Country of Origin="Mainland China", Drain to Source Voltage (Vdss)=-30V, Export Control Classification Number (ECCN) Code=EAR99, Height=1.25mm, Introduction Date=2007-04-10, Lead Free="Lead Free", Lifecycle Status=Production, Max Operating Temperature=150°C, Mounting Technology="Surface Mount", Number of Channels=1, Number of Elements=1, Number of Terminals=3, Pins=3, Power Dissipation=1.4W, Radiation Hardening=No, Rds On Max=44mΩ, REACH SVHC=Yes, RoHS=Compliant, Schedule B="8541290080, 8541290080", Turn-Off Delay Time=41ns, Turn-On Delay Time=6.5ns
R1 R77: library part CMP-009-00006-5, "Chip Resistor, 0 Ohm, 0.1 W, -55 to 155 degC, 0603 (1608 Metric)", Case/Package=0603, Max Operating Temperature=155°C, Min Operating Temperature=-55°C, Power=100mW, Tolerance=5%, Voltage Rating=50V, Mounting Technology=SM, Pins=2, RoHS Compliant=True
R2: library part CMP-009-00197-1, "Zero Ohm Resistor, Jumper, 0402 [1005 Metric], Thin Film, 100 mW, 630 mA, Surface Mount Device", Case/Package=0402, Max Operating Temperature=125°C, Min Operating Temperature=-55°C, Voltage Rating=50V, Mounting Technology="Surface Mount"
R3 R7A R7B R7C R7D R7E R7F R7G R7H R7I R7J R9A R9B R9C R9D R9E R9F R9G R9H R9I R9J R11A R11B R11C R11D R11E R11F R11G R11H R11I R11J R13A R13B R13C R13D R13E R13F R13G R13H R13I R13J R15A R15B R15C R15D R15E R15F R15G R15H R15I R15J R17A R17B R17C R17D R17E R17F R17G R17H R17I R17J R19A R19B R19C R19D R19E R19F R19G R19H R19I R19J R21A R21B R21C R21D R21E R21F R21G R21H R21I R21J R25 R27 R31 R32A R32B R32C R32D R32E R34A R34B R34C R34D R34E R35A R35B R35C R35D R35E R37A R37B R37C R37D R37E R38A R38B R39A R39B R41A R41B R47 R51 R52 R64 R65 R74 R75 R80 R81 R85A R85B R86A R86B R87A R87B R92A R92B R93A R93B R94A R94B R95 R99 R100A R100B R111 R120 R121 R124 R131 R132 R135 R145 R150 R162A R162B R163A R163B R166A R166B R167A R167B R170A R170B R171A R171B R176A R176B R176C R176D R176E R176F R176G R177A R177B R177C R177D R177E R177F R177G R178A R178B R178C R178D R178E R178F R178G: library part CMP-009-00322-1, "Res Thin Film 0603 10K Ohm 0.1% 1/10W", Case Code (Imperial)=0603, Max Operating Temperature=155°C, Max Power Dissipation=100mW, Min Operating Temperature=-55°C, Temperature Coefficient=25ppm/°C, Tolerance=0.1%, Voltage Rating=75V, Case/Package=0603, China RoHS=Non-Compliant, Composition="Thin Film", Country of Origin="Mainland China, Taiwan", Depth=800µm, Export Control Classification Number (ECCN) Code=EAR99, Features="Moisture Resistant", Harmonized Tariff Schedule (HTS) Code=8533.21.00.30, Height=450µm, Introduction Date=2008-06-09, Lead Free="Lead Free", Length=1.6mm, Lifecycle Status=Production, Military Standard=Not, Mounting Technology="Surface Mount", Number of Terminals=2, Number of Terminations=2, Power Rating=100mW, REACH SVHC=Yes, RoHS=Compliant, Schedule B="8533210045, 8533210045", Termination=SMD/SMT, Voltage Rating (DC)=75V, Weight=2.012816mg, Width=800µm, Working Voltage=75V
R4A R4B R4C R4D R4E R4F R4G R4H R4I R4J: library part CMP-009-00251-1, "100mW Thin Film Resistor ±50ppm/℃ ±0.1% 300kΩ 0603 Chip Resistor - Surface Mount ROHS", Case Code (Metric)=0603, Max Operating Temperature=155°C, Max Power Dissipation=100mW, Min Operating Temperature=-55°C, Temperature Coefficient=50ppm/°C, Tolerance=0.1%, Voltage Rating=75V, Voltage Rating (DC)=50V, Case/Package=0603, China RoHS=Non-Compliant, Composition="Thin Film", Contact Plating=Tin, Country of Origin="Mainland China, Taiwan", Export Control Classification Number (ECCN) Code=EAR99, Harmonized Tariff Schedule (HTS) Code=8533.21.00.30, Height=450µm, Introduction Date=2008-07-11, Lead Free="Lead Free", Length=1.6mm, Lifecycle Status=Production, Mounting Technology="Surface Mount", Number of Terminals=2, Number of Terminations=2, Packaging="Tape & Reel (TR)", Power Dissipation=100mW, Power Rating=100mW, Radiation Hardening=No, REACH SVHC=Yes, RoHS=Compliant, Width=800µm, Working Voltage=75V